# Altium PCB LightLink_V2.1_FINAL_LAYOUT.PcbDoc (part 1 of 3) (continued)
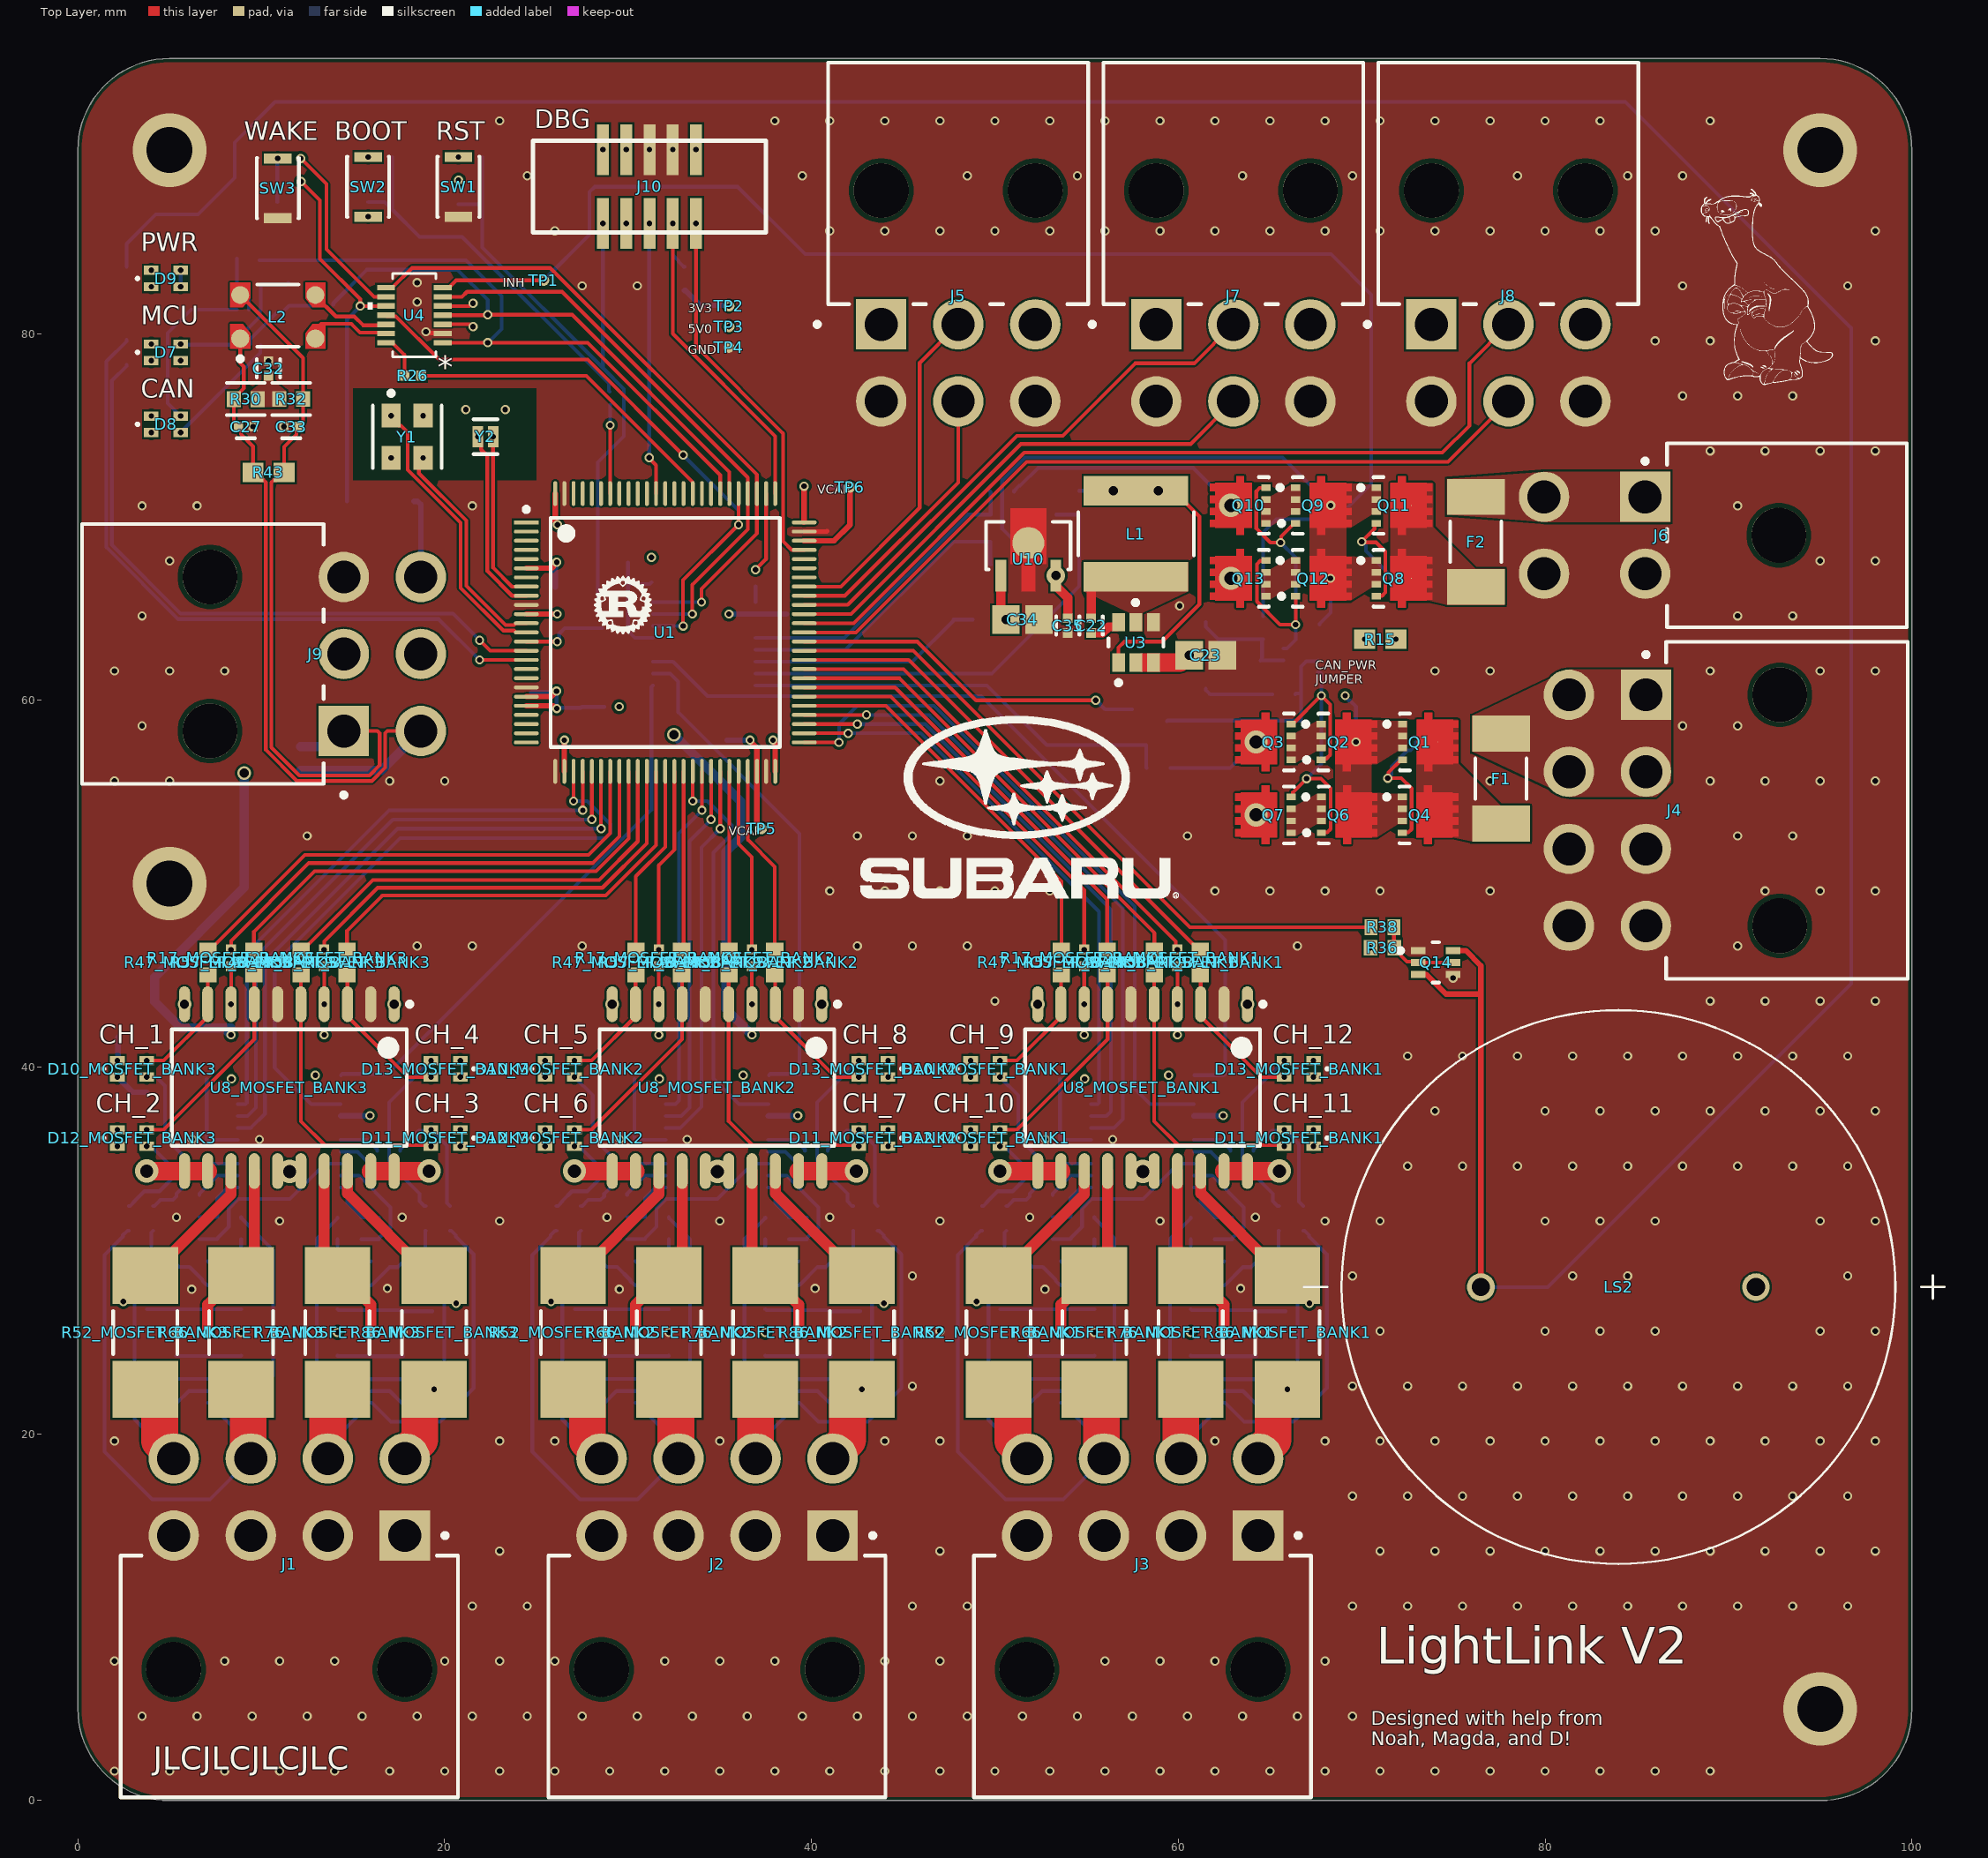
[diagram p0: Top Layer view]
## Components (designator, comment, footprint, x,y, rotation, side; value= is the part's Value field where it differs from the comment) (continued)
R21_MOSFET_BANK2 "0402 JUMPER 0 OHM" RESC1005X40X25NL05T05 36.75,45.95 r90 top (schematic designator R21)
R21_MOSFET_BANK3 "0402 JUMPER 0 OHM" RESC1005X40X25NL05T05 13.425,45.95 r90 top (schematic designator R21)
R22_MOSFET_BANK1 "0603 JUMPER" RESC1609X55X30ML15T15 59.95,45.55 r90 bottom (schematic designator R22)
R22_MOSFET_BANK2 "0603 JUMPER" RESC1609X55X30ML15T15 36.75,45.55 r90 bottom (schematic designator R22)
R22_MOSFET_BANK3 "0603 JUMPER" RESC1609X55X30ML15T15 13.425,45.55 r90 bottom (schematic designator R22)
R23_MOSFET_BANK1 "ERJ3EKF56R0V" RESC1608X55X30NL15T15 54.225,39.35 r180 bottom (schematic designator R23)
R23_MOSFET_BANK2 "ERJ3EKF56R0V" RESC1608X55X30NL15T15 31.025,39.35 r180 bottom (schematic designator R23)
R23_MOSFET_BANK3 "ERJ3EKF56R0V" RESC1608X55X30NL15T15 7.7,39.35 r180 bottom (schematic designator R23)
R24 "0402 JUMPER 0 OHM" RESC1005X40X25NL05T05 28.585,64.375 r90 bottom
R25 "0402 JUMPER 0 OHM" RESC1005X40X25NL05T05 29,76.375 r90 bottom
R26 "0402 JUMPER 0 OHM" RESC1005X40X25NL05T05 18.256,77.7 r180 top
R27 "ERJ3EKF1002V" RESC1609X55X30LL15T15 11.475,82.125 r90 bottom
R28 "0402 JUMPER 0 OHM" RESC1005X40X25NL05T05 36.95,66.675 r90 bottom
R29 "ERJ3EKF1002V" RESC1609X55X30LL15T15 11.525,88.285 r180 bottom
R30 "ERJ-3EKF60R4V" FP-ERJ3EK-IPC_C 9.153,76.425 r180 top
R31 "ERJ-3EKF1001V" RESC1608X55X30LL15T15#1 11.525,89.55 r180 bottom
R32 "ERJ-3EKF60R4V" FP-ERJ3EK-IPC_C 11.63,76.429 r180 top
R33 "ERJ3EKF56R0V" RESC1608X55X30NL15T15 3.325,74.375 r0 bottom
R34 "ERJ3EKF56R0V" RESC1608X55X30NL15T15 3.325,78.3 r0 bottom
R35 "ERJ3EKF56R0V" RESC1608X55X30NL15T15 3.325,75.725 r0 bottom
R36 "ERJ3EKF1002V" RESC1609X55X30LL15T15 71.125,46.5 r180 top
R37 "ERJ3EKF1002V" RESC1609X55X30LL15T15 9.325,82.675 r0 bottom
R38 "ERJ-3EKF1001V" RESC1608X55X30LL15T15#1 71.125,47.625 r0 top
R39 "ERJ3EKF56R0V" RESC1608X55X30NL15T15 3.325,79.65 r0 bottom
R40 "ERJ3EKF56R0V" RESC1608X55X30NL15T15 3.325,83.65 r0 bottom
R41_MOSFET_BANK1 "ERT-J1VR103J" RESC1608X90X30ML15T20 60.175,39.55 r180 bottom (schematic designator R41)
R41_MOSFET_BANK2 "ERT-J1VR103J" RESC1608X90X30ML15T20 36.975,39.55 r180 bottom (schematic designator R41)
R41_MOSFET_BANK3 "ERT-J1VR103J" RESC1608X90X30ML15T20 13.65,39.55 r180 bottom (schematic designator R41)
R42 "ERJ-3EKF3300V" RESC1608X55X30LL15T15#2 21.4,89.625 r180 bottom
R43 "ERJ-3EKF1200V" RESC1609X55X30ML15T15 10.4,72.425 r180 top
R44 "ERJ-3EKF3300V" RESC1608X55X30LL15T15#2 3.35,82.4 r180 bottom
R45 "ERJ3EKF1002V" RESC1609X55X30LL15T15 21.4,88.37 r0 bottom
R46_MOSFET_BANK1 "ERJ-3EKF1001V" RESC1608X55X30LL15T15#1 62.55,39 r90 bottom (schematic designator R46)
R46_MOSFET_BANK2 "ERJ-3EKF1001V" RESC1608X55X30LL15T15#1 39.35,39 r90 bottom (schematic designator R46)
R46_MOSFET_BANK3 "ERJ-3EKF1001V" RESC1608X55X30LL15T15#1 16.025,39 r90 bottom (schematic designator R46)
R47_MOSFET_BANK1 "ERJ3EKF56R0V" RESC1608X55X30NL15T15 53.625,45.7 r90 top (schematic designator R47)
R47_MOSFET_BANK2 "ERJ3EKF56R0V" RESC1608X55X30NL15T15 30.425,45.7 r90 top (schematic designator R47)
R47_MOSFET_BANK3 "ERJ3EKF56R0V" RESC1608X55X30NL15T15 7.1,45.7 r90 top (schematic designator R47)
R48_MOSFET_BANK1 "ERJ3EKF56R0V" RESC1608X55X30NL15T15 58.7,45.7 r90 top (schematic designator R48)
R48_MOSFET_BANK2 "ERJ3EKF56R0V" RESC1608X55X30NL15T15 35.5,45.7 r90 top (schematic designator R48)
R48_MOSFET_BANK3 "ERJ3EKF56R0V" RESC1608X55X30NL15T15 12.175,45.7 r90 top (schematic designator R48)
R49_MOSFET_BANK1 "ERJ-3EKF1004V" FP-ERJ3EK-IPC_C 53.6,28.76 r270 bottom (schematic designator R49)
R49_MOSFET_BANK2 "ERJ-3EKF1004V" FP-ERJ3EK-IPC_C 30.4,28.76 r270 bottom (schematic designator R49)
R49_MOSFET_BANK3 "ERJ-3EKF1004V" FP-ERJ3EK-IPC_C 7.075,28.76 r270 bottom (schematic designator R49)
R50 "ERJ3EKF1002V" RESC1609X55X30LL15T15 49.45,64.4 r0 bottom
R51 "ERJ3EKF1002V" RESC1609X55X30LL15T15 47.1,64.4 r180 bottom
R52_MOSFET_BANK1 "MCS3264R010FER" FP-MCS3264-MFG 50.2,25.525 r270 top (schematic designator R52)
R52_MOSFET_BANK2 "MCS3264R010FER" FP-MCS3264-MFG 27,25.525 r270 top (schematic designator R52)
R52_MOSFET_BANK3 "MCS3264R010FER" FP-MCS3264-MFG 3.675,25.525 r270 top (schematic designator R52)
R53_MOSFET_BANK1 "ERJ3EKF1002V" RESC1609X55X30LL15T15 51.175,29.31 r180 bottom (schematic designator R53)
R53_MOSFET_BANK2 "ERJ3EKF1002V" RESC1609X55X30LL15T15 27.975,29.31 r180 bottom (schematic designator R53)
R53_MOSFET_BANK3 "ERJ3EKF1002V" RESC1609X55X30LL15T15 4.65,29.31 r180 bottom (schematic designator R53)
R54_MOSFET_BANK1 "ERJ3EKF5100V" RESC1608X55X30NL15T15 50.625,31.75 r270 bottom (schematic designator R54)
R54_MOSFET_BANK2 "ERJ3EKF5100V" RESC1608X55X30NL15T15 27.425,31.75 r270 bottom (schematic designator R54)
R54_MOSFET_BANK3 "ERJ3EKF5100V" RESC1608X55X30NL15T15 4.1,31.75 r270 bottom (schematic designator R54)
R55_MOSFET_BANK1 "ERJ3EKF1002V" RESC1609X55X30LL15T15 54.775,30.61 r0 bottom (schematic designator R55)
R55_MOSFET_BANK2 "ERJ3EKF1002V" RESC1609X55X30LL15T15 31.575,30.61 r0 bottom (schematic designator R55)
R55_MOSFET_BANK3 "ERJ3EKF1002V" RESC1609X55X30LL15T15 8.25,30.61 r0 bottom (schematic designator R55)
R56_MOSFET_BANK1 "ERJ3EKF1002V" RESC1609X55X30LL15T15 49.65,26.785 r180 bottom (schematic designator R56)
R56_MOSFET_BANK2 "ERJ3EKF1002V" RESC1609X55X30LL15T15 26.45,26.785 r180 bottom (schematic designator R56)
R56_MOSFET_BANK3 "ERJ3EKF1002V" RESC1609X55X30LL15T15 3.125,26.785 r180 bottom (schematic designator R56)
R57_MOSFET_BANK1 "ERJ3EKF56R0V" RESC1608X55X30NL15T15 56.125,45.7 r90 top (schematic designator R57)
R57_MOSFET_BANK2 "ERJ3EKF56R0V" RESC1608X55X30NL15T15 32.925,45.7 r90 top (schematic designator R57)
R57_MOSFET_BANK3 "ERJ3EKF56R0V" RESC1608X55X30NL15T15 9.6,45.7 r90 top (schematic designator R57)
R58_MOSFET_BANK1 "ERJ3EKF56R0V" RESC1608X55X30NL15T15 61.2,45.7 r90 top (schematic designator R58)
R58_MOSFET_BANK2 "ERJ3EKF56R0V" RESC1608X55X30NL15T15 38,45.7 r90 top (schematic designator R58)
R58_MOSFET_BANK3 "ERJ3EKF56R0V" RESC1608X55X30NL15T15 14.675,45.7 r90 top (schematic designator R58)
R59_MOSFET_BANK1 "ERJ-3EKF1004V" FP-ERJ3EK-IPC_C 51.85,27.435 r270 bottom (schematic designator R59)
R59_MOSFET_BANK2 "ERJ-3EKF1004V" FP-ERJ3EK-IPC_C 28.65,27.435 r270 bottom (schematic designator R59)
R59_MOSFET_BANK3 "ERJ-3EKF1004V" FP-ERJ3EK-IPC_C 5.325,27.435 r270 bottom (schematic designator R59)
R60_MOSFET_BANK1 "ERJ3EKF2701V" RESC1608X55X30LL15T15#1 52.525,30.61 r0 bottom (schematic designator R60)
R60_MOSFET_BANK2 "ERJ3EKF2701V" RESC1608X55X30LL15T15#1 29.325,30.61 r0 bottom (schematic designator R60)
R60_MOSFET_BANK3 "ERJ3EKF2701V" RESC1608X55X30LL15T15#1 6,30.61 r0 bottom (schematic designator R60)
R61 "ERJ3EKF1002V" RESC1609X55X30LL15T15 28.375,75 r0 bottom
R62 "ERJ3EKF56R0V" RESC1608X55X30NL15T15 31.275,67.115 r270 bottom
R63 "ERJ3EKF1002V" RESC1609X55X30LL15T15 55.5,59.35 r270 bottom
R64_MOSFET_BANK1 "ERJ-3EKF1004V" FP-ERJ3EK-IPC_C 51.875,22.335 r90 bottom (schematic designator R64)
R64_MOSFET_BANK2 "ERJ-3EKF1004V" FP-ERJ3EK-IPC_C 28.675,22.335 r90 bottom (schematic designator R64)
R64_MOSFET_BANK3 "ERJ-3EKF1004V" FP-ERJ3EK-IPC_C 5.35,22.335 r90 bottom (schematic designator R64)
R65_MOSFET_BANK1 "ERJ3EKF5100V" RESC1608X55X30NL15T15 48.025,40.575 r0 bottom (schematic designator R65)
R65_MOSFET_BANK2 "ERJ3EKF5100V" RESC1608X55X30NL15T15 24.825,40.575 r0 bottom (schematic designator R65)
R65_MOSFET_BANK3 "ERJ3EKF5100V" RESC1608X55X30NL15T15 2.9,41.65 r180 bottom (schematic designator R65)
R66_MOSFET_BANK1 "MCS3264R010FER" FP-MCS3264-MFG 55.425,25.525 r270 top (schematic designator R66)
R66_MOSFET_BANK2 "MCS3264R010FER" FP-MCS3264-MFG 32.225,25.525 r270 top (schematic designator R66)
R66_MOSFET_BANK3 "MCS3264R010FER" FP-MCS3264-MFG 8.9,25.525 r270 top (schematic designator R66)
R67_MOSFET_BANK1 "ERJ3EKF1002V" RESC1609X55X30LL15T15 53.6,22.335 r270 bottom (schematic designator R67)
R67_MOSFET_BANK2 "ERJ3EKF1002V" RESC1609X55X30LL15T15 30.4,22.335 r270 bottom (schematic designator R67)
R67_MOSFET_BANK3 "ERJ3EKF1002V" RESC1609X55X30LL15T15 7.075,22.335 r270 bottom (schematic designator R67)
R68_MOSFET_BANK1 "ERJ3EKF5100V" RESC1608X55X30NL15T15 49.3,31.75 r270 bottom (schematic designator R68)
R68_MOSFET_BANK2 "ERJ3EKF5100V" RESC1608X55X30NL15T15 26.1,31.75 r270 bottom (schematic designator R68)
R68_MOSFET_BANK3 "ERJ3EKF5100V" RESC1608X55X30NL15T15 2.775,31.75 r270 bottom (schematic designator R68)
R69_MOSFET_BANK1 "ERJ3EKF1002V" RESC1609X55X30LL15T15 54.775,31.81 r0 bottom (schematic designator R69)
R69_MOSFET_BANK2 "ERJ3EKF1002V" RESC1609X55X30LL15T15 31.575,31.81 r0 bottom (schematic designator R69)
R69_MOSFET_BANK3 "ERJ3EKF1002V" RESC1609X55X30LL15T15 8.25,31.81 r0 bottom (schematic designator R69)
R70_MOSFET_BANK1 "ERJ3EKF1002V" RESC1609X55X30LL15T15 53.6,24.885 r90 bottom (schematic designator R70)
R70_MOSFET_BANK2 "ERJ3EKF1002V" RESC1609X55X30LL15T15 30.4,24.885 r90 bottom (schematic designator R70)
R70_MOSFET_BANK3 "ERJ3EKF1002V" RESC1609X55X30LL15T15 7.075,24.885 r90 bottom (schematic designator R70)
R71_MOSFET_BANK1 "ERJ-3EKF1004V" FP-ERJ3EK-IPC_C 51.875,24.885 r270 bottom (schematic designator R71)
R71_MOSFET_BANK2 "ERJ-3EKF1004V" FP-ERJ3EK-IPC_C 28.675,24.885 r270 bottom (schematic designator R71)
R71_MOSFET_BANK3 "ERJ-3EKF1004V" FP-ERJ3EK-IPC_C 5.35,24.885 r270 bottom (schematic designator R71)
R72_MOSFET_BANK1 "ERJ3EKF2701V" RESC1608X55X30LL15T15#1 52.525,31.81 r0 bottom (schematic designator R72)
R72_MOSFET_BANK2 "ERJ3EKF2701V" RESC1608X55X30LL15T15#1 29.325,31.81 r0 bottom (schematic designator R72)
R72_MOSFET_BANK3 "ERJ3EKF2701V" RESC1608X55X30LL15T15#1 6,31.81 r0 bottom (schematic designator R72)
R73_MOSFET_BANK1 "ERJ3EKF5100V" RESC1608X55X30NL15T15 68.025,35.45 r180 bottom (schematic designator R73)
R73_MOSFET_BANK2 "ERJ3EKF5100V" RESC1608X55X30NL15T15 44.825,35.45 r180 bottom (schematic designator R73)
R73_MOSFET_BANK3 "ERJ3EKF5100V" RESC1608X55X30NL15T15 21.525,35.45 r180 bottom (schematic designator R73)
R74_MOSFET_BANK1 "ERJ-3EKF1004V" FP-ERJ3EK-IPC_C 64.25,22.31 r90 bottom (schematic designator R74)
R74_MOSFET_BANK2 "ERJ-3EKF1004V" FP-ERJ3EK-IPC_C 41.05,22.31 r90 bottom (schematic designator R74)
R74_MOSFET_BANK3 "ERJ-3EKF1004V" FP-ERJ3EK-IPC_C 17.725,22.31 r90 bottom (schematic designator R74)
R75_MOSFET_BANK1 "ERJ3EKF5100V" RESC1608X55X30NL15T15 48,36.775 r0 bottom (schematic designator R75)
R75_MOSFET_BANK2 "ERJ3EKF5100V" RESC1608X55X30NL15T15 24.8,36.8 r0 bottom (schematic designator R75)
R75_MOSFET_BANK3 "ERJ3EKF5100V" RESC1608X55X30NL15T15 2.15,37.375 r270 bottom (schematic designator R75)
R76_MOSFET_BANK1 "MCS3264R010FER" FP-MCS3264-MFG 60.675,25.525 r270 top (schematic designator R76)
R76_MOSFET_BANK2 "MCS3264R010FER" FP-MCS3264-MFG 37.475,25.525 r270 top (schematic designator R76)
R76_MOSFET_BANK3 "MCS3264R010FER" FP-MCS3264-MFG 14.15,25.525 r270 top (schematic designator R76)
R77_MOSFET_BANK1 "ERJ3EKF1002V" RESC1609X55X30LL15T15 62.5,22.335 r270 bottom (schematic designator R77)
R77_MOSFET_BANK2 "ERJ3EKF1002V" RESC1609X55X30LL15T15 39.3,22.335 r270 bottom (schematic designator R77)
R77_MOSFET_BANK3 "ERJ3EKF1002V" RESC1609X55X30LL15T15 15.975,22.335 r270 bottom (schematic designator R77)
R78_MOSFET_BANK1 "ERJ3EKF5100V" RESC1608X55X30NL15T15 66.809,31.75 r270 bottom (schematic designator R78)
R78_MOSFET_BANK2 "ERJ3EKF5100V" RESC1608X55X30NL15T15 43.609,31.75 r270 bottom (schematic designator R78)
R78_MOSFET_BANK3 "ERJ3EKF5100V" RESC1608X55X30NL15T15 20.284,31.75 r270 bottom (schematic designator R78)
R79_MOSFET_BANK1 "ERJ3EKF1002V" RESC1609X55X30LL15T15 61.325,31.8 r180 bottom (schematic designator R79)
R79_MOSFET_BANK2 "ERJ3EKF1002V" RESC1609X55X30LL15T15 38.125,31.8 r180 bottom (schematic designator R79)
R79_MOSFET_BANK3 "ERJ3EKF1002V" RESC1609X55X30LL15T15 14.8,31.8 r180 bottom (schematic designator R79)
R80_MOSFET_BANK1 "ERJ3EKF1002V" RESC1609X55X30LL15T15 62.5,24.875 r90 bottom (schematic designator R80)
R80_MOSFET_BANK2 "ERJ3EKF1002V" RESC1609X55X30LL15T15 39.3,24.875 r90 bottom (schematic designator R80)
R80_MOSFET_BANK3 "ERJ3EKF1002V" RESC1609X55X30LL15T15 15.975,24.875 r90 bottom (schematic designator R80)
R81_MOSFET_BANK1 "ERJ-3EKF1004V" FP-ERJ3EK-IPC_C 64.25,24.874 r270 bottom (schematic designator R81)
R81_MOSFET_BANK2 "ERJ-3EKF1004V" FP-ERJ3EK-IPC_C 41.05,24.874 r270 bottom (schematic designator R81)
R81_MOSFET_BANK3 "ERJ-3EKF1004V" FP-ERJ3EK-IPC_C 17.725,24.874 r270 bottom (schematic designator R81)
R82_MOSFET_BANK1 "ERJ3EKF2701V" RESC1608X55X30LL15T15#1 63.575,31.8 r180 bottom (schematic designator R82)
R82_MOSFET_BANK2 "ERJ3EKF2701V" RESC1608X55X30LL15T15#1 40.375,31.8 r180 bottom (schematic designator R82)
R82_MOSFET_BANK3 "ERJ3EKF2701V" RESC1608X55X30LL15T15#1 17.05,31.8 r180 bottom (schematic designator R82)
R83_MOSFET_BANK1 "ERJ-3EKF1004V" FP-ERJ3EK-IPC_C 62.5,28.76 r270 bottom (schematic designator R83)
R83_MOSFET_BANK2 "ERJ-3EKF1004V" FP-ERJ3EK-IPC_C 39.3,28.76 r270 bottom (schematic designator R83)
R83_MOSFET_BANK3 "ERJ-3EKF1004V" FP-ERJ3EK-IPC_C 15.975,28.76 r270 bottom (schematic designator R83)
R84_MOSFET_BANK1 "ERJ3EKF1002V" RESC1609X55X30LL15T15 54.875,42.775 r270 bottom (schematic designator R84)
R84_MOSFET_BANK2 "ERJ3EKF1002V" RESC1609X55X30LL15T15 31.675,42.775 r270 bottom (schematic designator R84)
R84_MOSFET_BANK3 "ERJ3EKF1002V" RESC1609X55X30LL15T15 8.35,42.775 r270 bottom (schematic designator R84)
R85_MOSFET_BANK1 "ERJ3EKF1002V" RESC1609X55X30LL15T15 59.955,42.775 r270 bottom (schematic designator R85)
R85_MOSFET_BANK2 "ERJ3EKF1002V" RESC1609X55X30LL15T15 36.755,42.775 r270 bottom (schematic designator R85)
R85_MOSFET_BANK3 "ERJ3EKF1002V" RESC1609X55X30LL15T15 13.43,42.775 r270 bottom (schematic designator R85)
R86_MOSFET_BANK1 "MCS3264R010FER" FP-MCS3264-MFG 65.95,25.525 r270 top (schematic designator R86)
R86_MOSFET_BANK2 "MCS3264R010FER" FP-MCS3264-MFG 42.75,25.525 r270 top (schematic designator R86)
R86_MOSFET_BANK3 "MCS3264R010FER" FP-MCS3264-MFG 19.425,25.525 r270 top (schematic designator R86)
R87_MOSFET_BANK1 "ERJ3EKF1002V" RESC1609X55X30LL15T15 64.825,29.285 r0 bottom (schematic designator R87)
R87_MOSFET_BANK2 "ERJ3EKF1002V" RESC1609X55X30LL15T15 41.625,29.285 r0 bottom (schematic designator R87)
R87_MOSFET_BANK3 "ERJ3EKF1002V" RESC1609X55X30LL15T15 18.3,29.285 r0 bottom (schematic designator R87)
R88_MOSFET_BANK1 "ERJ3EKF5100V" RESC1608X55X30NL15T15 65.484,31.75 r270 bottom (schematic designator R88)
R88_MOSFET_BANK2 "ERJ3EKF5100V" RESC1608X55X30NL15T15 42.284,31.75 r270 bottom (schematic designator R88)
R88_MOSFET_BANK3 "ERJ3EKF5100V" RESC1608X55X30NL15T15 18.959,31.75 r270 bottom (schematic designator R88)
R89_MOSFET_BANK1 "ERJ3EKF1002V" RESC1609X55X30LL15T15 61.325,30.6 r180 bottom (schematic designator R89)
R89_MOSFET_BANK2 "ERJ3EKF1002V" RESC1609X55X30LL15T15 38.125,30.6 r180 bottom (schematic designator R89)
R89_MOSFET_BANK3 "ERJ3EKF1002V" RESC1609X55X30LL15T15 14.8,30.6 r180 bottom (schematic designator R89)
R90_MOSFET_BANK1 "ERJ3EKF1002V" RESC1609X55X30LL15T15 66.5,26.685 r0 bottom (schematic designator R90)
R90_MOSFET_BANK2 "ERJ3EKF1002V" RESC1609X55X30LL15T15 43.3,26.685 r0 bottom (schematic designator R90)
R90_MOSFET_BANK3 "ERJ3EKF1002V" RESC1609X55X30LL15T15 19.975,26.685 r0 bottom (schematic designator R90)
R91_MOSFET_BANK1 "ERJ-3EKF1004V" FP-ERJ3EK-IPC_C 64.25,27.335 r270 bottom (schematic designator R91)
R91_MOSFET_BANK2 "ERJ-3EKF1004V" FP-ERJ3EK-IPC_C 41.05,27.335 r270 bottom (schematic designator R91)
R91_MOSFET_BANK3 "ERJ-3EKF1004V" FP-ERJ3EK-IPC_C 17.725,27.335 r270 bottom (schematic designator R91)
R92_MOSFET_BANK1 "ERJ3EKF2701V" RESC1608X55X30LL15T15#1 63.575,30.6 r180 bottom (schematic designator R92)
R92_MOSFET_BANK2 "ERJ3EKF2701V" RESC1608X55X30LL15T15#1 40.375,30.6 r180 bottom (schematic designator R92)
R92_MOSFET_BANK3 "ERJ3EKF2701V" RESC1608X55X30LL15T15#1 17.05,30.6 r180 bottom (schematic designator R92)
R93_MOSFET_BANK1 "ERJ-3EKF1000V" RESC1608X55X30LL15T15#1 48.05,39.275 r180 bottom (schematic designator R93)
R93_MOSFET_BANK2 "ERJ-3EKF1000V" RESC1608X55X30LL15T15#1 24.825,39.275 r180 bottom (schematic designator R93)
R93_MOSFET_BANK3 "ERJ-3EKF1000V" RESC1608X55X30LL15T15#1 3.75,38 r270 bottom (schematic designator R93)
R94_MOSFET_BANK1 "ERJ-3EKF1000V" RESC1608X55X30LL15T15#1 68,36.725 r0 bottom (schematic designator R94)
R94_MOSFET_BANK2 "ERJ-3EKF1000V" RESC1608X55X30LL15T15#1 44.8,36.7 r0 bottom (schematic designator R94)
R94_MOSFET_BANK3 "ERJ-3EKF1000V" RESC1608X55X30LL15T15#1 21.475,36.75 r0 bottom (schematic designator R94)
R95_MOSFET_BANK1 "ERJ3EKF5100V" RESC1608X55X30NL15T15 68.025,39.225 r180 bottom (schematic designator R95)
R95_MOSFET_BANK2 "ERJ3EKF5100V" RESC1608X55X30NL15T15 44.825,39.25 r180 bottom (schematic designator R95)
R95_MOSFET_BANK3 "ERJ3EKF5100V" RESC1608X55X30NL15T15 21.475,39.225 r180 bottom (schematic designator R95)
R96 "ERJ-3EKF1001V" RESC1608X55X30LL15T15#1 13.3,81.575 r180 bottom
R97_MOSFET_BANK1 "ERJ-3EKF1001V" RESC1608X55X30LL15T15#1 63.465,35.433 r180 bottom (schematic designator R97)
R97_MOSFET_BANK2 "ERJ-3EKF1001V" RESC1608X55X30LL15T15#1 40.265,35.433 r180 bottom (schematic designator R97)
R97_MOSFET_BANK3 "ERJ-3EKF1001V" RESC1608X55X30LL15T15#1 16.94,35.433 r180 bottom (schematic designator R97)
R98_MOSFET_BANK1 "ERJ-3EKF1001V" RESC1608X55X30LL15T15#1 63.465,34.233 r180 bottom (schematic designator R98)
R98_MOSFET_BANK2 "ERJ-3EKF1001V" RESC1608X55X30LL15T15#1 40.265,34.233 r180 bottom (schematic designator R98)
R98_MOSFET_BANK3 "ERJ-3EKF1001V" RESC1608X55X30LL15T15#1 16.94,34.233 r180 bottom (schematic designator R98)
R99_MOSFET_BANK1 "ERJ-3EKF1000V" RESC1608X55X30LL15T15#1 48.05,35.55 r180 bottom (schematic designator R99)
R99_MOSFET_BANK2 "ERJ-3EKF1000V" RESC1608X55X30LL15T15#1 24.825,35.5 r180 bottom (schematic designator R99)
R99_MOSFET_BANK3 "ERJ-3EKF1000V" RESC1608X55X30LL15T15#1 2.15,34.925 r270 bottom (schematic designator R99)
R100_MOSFET_BANK1 "ERJ-3EKF1000V" RESC1608X55X30LL15T15#1 68,40.525 r0 bottom (schematic designator R100)
R100_MOSFET_BANK2 "ERJ-3EKF1000V" RESC1608X55X30LL15T15#1 44.8,40.525 r0 bottom (schematic designator R100)
R100_MOSFET_BANK3 "ERJ-3EKF1000V" RESC1608X55X30LL15T15#1 21.475,40.525 r0 bottom (schematic designator R100)
R101_MOSFET_BANK1 "ERJ-3EKF1001V" RESC1608X55X30LL15T15#1 52.525,33.02 r0 bottom (schematic designator R101)
R101_MOSFET_BANK2 "ERJ-3EKF1001V" RESC1608X55X30LL15T15#1 29.325,33.02 r0 bottom (schematic designator R101)
R101_MOSFET_BANK3 "ERJ-3EKF1001V" RESC1608X55X30LL15T15#1 6,33.02 r0 bottom (schematic designator R101)
R102 "ERJ-3EKF1001V" RESC1608X55X30LL15T15#1 9.275,84 r180 bottom
R104_MOSFET_BANK1 "ERJ-3EKF1001V" RESC1608X55X30LL15T15#1 52.525,34.22 r0 bottom (schematic designator R104)
R104_MOSFET_BANK2 "ERJ-3EKF1001V" RESC1608X55X30LL15T15#1 29.325,34.22 r0 bottom (schematic designator R104)
R104_MOSFET_BANK3 "ERJ-3EKF1001V" RESC1608X55X30LL15T15#1 6,34.22 r0 bottom (schematic designator R104)
R105 "ERJ3EKF1002V" RESC1609X55X30LL15T15 54.6,70.775 r90 bottom
R106 "ERJ3EKF1002V" RESC1609X55X30LL15T15 52.7,70.125 r0 bottom
SW1 "KXT331LHS" FP-KXT331LHS-MFG 20.75,88 r270 top
SW2 "KXT331LHS" FP-KXT331LHS-MFG 15.825,88 r270 top
SW3 "KXT331LHS" FP-KXT331LHS-MFG 10.9,87.925 r90 top
TP1 "TPAD6R" TP06R 25.4,82.9 r90 top
TP2 "TPAD6R" TP06R 35.5,81.5 r90 top
TP3 "TPAD6R" TP06R 35.5,80.375 r90 top
TP4 "TPAD6R" TP06R 35.5,79.25 r90 top
TP5 "TPAD6R" TP06R 37.275,53 r90 top
TP6 "TPAD6R" TP06R 42.1,71.625 r90 top
U1 "STM32H730VBT6" FP-LQFP100-1L-IPC_C 32.025,63.7 r0 top
U2 "ADC088S022CIMT/NOPB" MTC16_L 34.15,63.075 r180 bottom
U3 "AP63203WU-7" FP-TSOT26-MFG 57.692,63.155 r90 top
U4 "TCAN1146DYYRQ1" TCAN1146DYYRQ1-Footprint-1 18.345,81 r180 top
U7_MOSFET_BANK1 "LM324D" D0014A_L 58.05,25.525 r180 bottom (schematic designator U7)
U7_MOSFET_BANK2 "LM324D" D0014A_L 34.85,25.525 r180 bottom (schematic designator U7)
U7_MOSFET_BANK3 "LM324D" D0014A_L 11.525,25.525 r180 bottom (schematic designator U7)
U8_MOSFET_BANK1 "ITS716G" INF-PG-DSO-20-32_L 58.05,38.875 r270 top (schematic designator U8)
U8_MOSFET_BANK2 "ITS716G" INF-PG-DSO-20-32_L 34.85,38.875 r270 top (schematic designator U8)
U8_MOSFET_BANK3 "ITS716G" INF-PG-DSO-20-32_L 11.525,38.875 r270 top (schematic designator U8)
U9_MOSFET_BANK1 "ADC088S022CIMT/NOPB" MTC16_L 58.05,35.7 r180 bottom (schematic designator U9)
U9_MOSFET_BANK2 "ADC088S022CIMT/NOPB" MTC16_L 34.85,35.7 r180 bottom (schematic designator U9)
U9_MOSFET_BANK3 "ADC088S022CIMT/NOPB" MTC16_L 11.525,35.7 r180 bottom (schematic designator U9)
U10 "AP7381-50Y-13" FP-SOT89-MFG 51.825,68.435 r0 top
Y1 "ABM8-48.000MHZ-B2-T" FP-ABM8-MFG 17.95,74.367 r270 top
Y2 "ECS-.327-12.5-1210-TR" FP-ECX-1210-MFG 22.225,74.375 r180 top

## Footprints (in the part's own frame and the unit in brackets; to place one, negate y for a bottom-side part, rotate by r counter-clockwise, add the part's x,y. Pads: shape width x height; smd on the part's side, far side on the other; paste and mask are expansions set on the pad)
3220-10-0300-00-Footprint-1 [mm]
  rect 0.65x2.77 all layers, no hole: 1(0,-4.03) 2(0,0) 3(1.27,-4.03) 4(1.27,0) 5(2.54,-4.03) 6(2.54,0) 7(3.81,-4.03) 8(3.81,0) 9(5.08,-4.03) 10(5.08,0)
  silkscreen extent -3.81,-4.51 8.89,0.48
AI-3035-TT-12V-R-Footprint-1 [mm]
  round 1.508 hole 1: N(7.5,0) P(-7.5,0)
  silkscreen extent -17.78,-15.1 17.14,15.1, body extent -15.1,-15.1 15.1,15.1, height 2.15
CAPC2013X145X50ML20T25 [mm] "Chip Capacitor, 2-Leads, Body 2.00x1.25mm, IPC Low Density"
  rect 1.5x1.55 smd: 1(-0.9,0) 2(0.9,0)
  body extent -1.1,-0.72 1.1,0.72, height 1.45
D0014A_L [mm] "SOIC, 14-Leads, Body 8.75x4mm, Pitch 1.27mm, IPC High Density"
  rrect18% 1.25x0.55 smd: 1(-2.625,3.81) 2(-2.625,2.54) 3(-2.625,1.27) 4(-2.625,0) 5(-2.625,-1.27) 6(-2.625,-2.54) 7(-2.625,-3.81) 8(2.625,-3.81) 9(2.625,-2.54) 10(2.625,-1.27) 11(2.625,0) 12(2.625,1.27) 13(2.625,2.54) 14(2.625,3.81)
  silkscreen extent -2.75,-4.37 1.6,4.76, body extent -3.02,-4.32 3.02,4.32, height 1.59
FP-39-30-1041-MFG [mil]
  rect 108.4x108.4 hole 71 paste-99999 mask+0: 1(82.5,297)
  round 108.4 hole 71 paste-99999 mask+0: 2(-82.5,297) 3(82.5,514) 4(-82.5,514)
  round 118 hole 118 unplated paste-99999 mask+0: ""(0,10)
  silkscreen extent -197,-265 198,302, body extent -201,-269 201,572, height 10
FP-0402-L_1_0_0_05-W_0_5-IPC_A [mm]
  rect 0.715x0.672 smd paste+0 mask+0: 1(-0.479,0) 2(0.479,0)
  silkscreen extent -0.84,-0.74 0.84,0.74, body extent -0.5,-0.25 0.5,0.25, height 0.55
FP-0679L-MFG [mm]
  rect 1.96x3.15 smd paste+0 mask+0: 1(-2.455,0) 2(2.455,0)
  silkscreen extent -1.1,-1.4 1.1,1.4, body extent -3.53,-1.68 3.53,1.68, height 0.25
FP-0805-L_2_01_0_2-W_1_25-MFG [mm]
  rect 1x1.25 smd paste+0 mask+0: 1(-1,0) 2(1,0)
  silkscreen extent -0.13,-0.73 0.12,0.73, body extent -1,-0.63 1,0.63, height 0.94
FP-45586-0005-MFG [mm]
  rect 2.75x2.75 hole 1.8 paste-2539.97 mask+0: 1(-6.3,-7.5)
  round 2.75 hole 1.8 paste-2539.97 mask+0: 2(-2.1,-7.5) 3(2.1,-7.5) 4(6.3,-7.5) 5(-6.3,-11.7) 6(-2.1,-11.7) 7(2.1,-11.7) 8(6.3,-11.7)
  round 3 hole 3 unplated paste-2539.97 mask+0: ""(-6.3,-0.2) ""(6.3,-0.2)
  silkscreen extent -9.19,-7.62 9.19,6.78, body extent -9.29,-13.18 9.29,6.88, height 0.25
FP-455580003-MFG [mm]
  rect 2.75x2.75 hole 1.8 paste-2539.97 mask+0: 1(-4.2,-7.5)
  round 2.75 hole 1.8 paste-2539.97 mask+0: 2(0,-7.5) 3(4.2,-7.5) 4(-4.2,-11.7) 5(0,-11.7) 6(4.2,-11.7)
  round 3 hole 3 unplated paste-2539.97 mask+0: ""(-4.2,-0.2) ""(4.2,-0.2)
  silkscreen extent -7.81,-7.62 7.09,6.78, body extent -7.19,-13.18 7.19,6.88, height 0.25
FP-ABM8-MFG [mm]
  rect 1.3x1.05 smd paste+0 mask+0: 1(-1.15,-0.875) 2(1.15,-0.875) 3(1.15,0.875) 4(-1.15,0.875)
  silkscreen extent -2.5,-1.87 1.7,1.87, body extent -1.9,-1.5 1.9,1.5, height 0.25
FP-BLM15-0_05-MFG [mm]
  rect 0.4x0.5 smd paste+0 mask+0: 1(-0.4,0) 2(0.4,0)
  silkscreen extent -0.53,-0.63 0.52,0.63, body extent -0.5,-0.25 0.5,0.25, height 0.55
FP-C0402-BB-MFG [mm]
  rect 0.52x0.52 smd paste+0 mask+0: 1(-0.4,0) 2(0.4,0)
  silkscreen extent -0.5,-0.64 0.5,0.64, body extent -0.5,-0.25 0.5,0.25, height 0.55
FP-C0805C-DN-MFG [mm]
  rect 0.95x1.35 smd paste+0 mask+0: 1(-0.75,0) 2(0.75,0)
  silkscreen extent -1.1,-1.07 1.1,1.07, body extent -1,-0.63 1,0.63, height 0.88
FP-C1005-050-0_15-0_1-MFG [mm]
  rect 0.4x0.5 smd paste+0 mask+0: 1(-0.4,0) 2(0.4,0)
  silkscreen extent -0.58,-0.63 0.58,0.63, body extent -0.5,-0.25 0.5,0.25, height 0.65
FP-C1005-050-0_15-MFG [mm]
  rect 0.4x0.5 smd paste+0 mask+0: 1(-0.4,0) 2(0.4,0)
  silkscreen extent -0.5,-0.72 0.5,0.72, body extent -0.5,-0.25 0.5,0.25, height 0.55
FP-DG6045C-MFG [mm]
  rect 1.6x5.7 smd paste+0 mask+0: 1(-2.35,0) 2(2.35,0)
  silkscreen extent -3.87,-3.15 1.17,3.15, body extent -3.25,-3.25 3.25,3.25, height 0.25
FP-ECX-1210-MFG [mm]
  rect 0.575x1.14 smd paste+0 mask+0: 1(-0.413,0) 2(0.412,0)
  silkscreen extent -0.65,-0.95 0.65,0.95, body extent -0.8,-0.67 0.8,0.67, height 0.25
FP-ERJ3EK-IPC_C [mm]
  rect 0.757x0.862 smd paste+0 mask+0: 1(-0.651,0) 2(0.651,0)
  silkscreen extent -1.03,-0.87 1.03,0.87, body extent -0.8,-0.4 0.8,0.4, height 0.55
FP-GRM15-MFG [mm]
  rect 0.4x0.5 smd paste+0 mask+0: 1(-0.4,0) 2(0.4,0)
  silkscreen extent -0.53,-0.63 0.53,0.63, body extent -0.3,-0.16 0.3,0.16, height 0.33
FP-GRM21B-0_2-e0_2_0_7-IPC_B [mm]
  rect 1.255x1.456 smd paste+0 mask+0: 1(-0.826,0) 2(0.826,0)
  silkscreen extent -1.45,-1.13 1.45,1.13, body extent -1,-0.63 1,0.63, height 1.45
FP-KXT331LHS-MFG [mm]
  rect 0.55x1.5 smd paste+0 mask+0: 1(-1.625,0) 2(1.625,0)
  silkscreen extent -1.65,-1.15 1.65,1.15, body extent -2,-1.25 2,1.25, height 0.25
FP-LQFP100-1L-IPC_C [mm]
  rect 1.355x0.212 smd paste+0 mask+0: 1(-7.575,6)
  rrect100% 1.355x0.212 smd paste+0 mask+0: 2(-7.575,5.5) 3(-7.575,5) 4(-7.575,4.5) 5(-7.575,4) 6(-7.575,3.5) 7(-7.575,3) 8(-7.575,2.5) 9(-7.575,2) 10(-7.575,1.5) 11(-7.575,1) 12(-7.575,0.5) 13(-7.575,0) 14(-7.575,-0.5) 15(-7.575,-1) 16(-7.575,-1.5) 17(-7.575,-2) 18(-7.575,-2.5) 19(-7.575,-3) 20(-7.575,-3.5) 21(-7.575,-4) 22(-7.575,-4.5) 23(-7.575,-5) 24(-7.575,-5.5) 25(-7.575,-6) 51(7.575,-6) 52(7.575,-5.5) 53(7.575,-5) 54(7.575,-4.5) 55(7.575,-4) 56(7.575,-3.5) 57(7.575,-3) 58(7.575,-2.5) 59(7.575,-2) 60(7.575,-1.5) 61(7.575,-1) 62(7.575,-0.5) 63(7.575,0) 64(7.575,0.5) 65(7.575,1) 66(7.575,1.5) 67(7.575,2) 68(7.575,2.5) 69(7.575,3) 70(7.575,3.5) 71(7.575,4) 72(7.575,4.5) 73(7.575,5) 74(7.575,5.5) 75(7.575,6)
  rrect100% 0.212x1.355 smd paste+0 mask+0: 26(-6,-7.575) 27(-5.5,-7.575) 28(-5,-7.575) 29(-4.5,-7.575) 30(-4,-7.575) 31(-3.5,-7.575) 32(-3,-7.575) 33(-2.5,-7.575) 34(-2,-7.575) 35(-1.5,-7.575) 36(-1,-7.575) 37(-0.5,-7.575) 38(0,-7.575) 39(0.5,-7.575) 40(1,-7.575) 41(1.5,-7.575) 42(2,-7.575) 43(2.5,-7.575) 44(3,-7.575) 45(3.5,-7.575) 46(4,-7.575) 47(4.5,-7.575) 48(5,-7.575) 49(5.5,-7.575) 50(6,-7.575) 76(6,7.575) 77(5.5,7.575) 78(5,7.575) 79(4.5,7.575) 80(4,7.575) 81(3.5,7.575) 82(3,7.575) 83(2.5,7.575) 84(2,7.575) 85(1.5,7.575) 86(1,7.575) 87(0.5,7.575) 88(0,7.575) 89(-0.5,7.575) 90(-1,7.575) 91(-1.5,7.575) 92(-2,7.575) 93(-2.5,7.575) 94(-3,7.575) 95(-3.5,7.575) 96(-4,7.575) 97(-4.5,7.575) 98(-5,7.575) 99(-5.5,7.575) 100(-6,7.575)
  silkscreen extent -7.7,-6.25 6.25,6.83, body extent -8.35,-8.35 8.35,8.35, height 0.25
FP-MCS3264-MFG [mm]
  rect 3.1x3.57 smd paste+0 mask+0: 1(-3.1,0) 2(3.1,0)
  silkscreen extent -1.18,-1.75 1.18,1.75, body extent -4.75,-1.89 4.75,1.89, height 0.25
FP-SOD-123-IPC_A [mm]
  rect 1.308x0.762 smd paste+0 mask+0: 1(-1.825,0)
  rrect100% 1.308x0.762 smd paste+0 mask+0: 2(1.825,0)
  silkscreen extent -2.39,-0.8 1.35,1.01, body extent -1.85,-0.8 1.85,0.8, height 1.35
FP-SOT89-MFG [mm]
  rect 0.58x1.73 smd paste+0 mask+0: 1(-1.5,-1.635) 3(1.5,-1.635)
  round 1.74 smd paste+0 mask+0: 2(0,0.146)
  Top Layer region: -0.38,-2.5 0.38,-2.5 0.38,-1 0.967,-1 0.967,2.03 -0.967,2.03 -0.967,-1 -0.38,-1 -0.38,-2.5
  silkscreen extent -2.3,-1.3 2.3,1.3, body extent -2.4,-2.6 2.4,2.13, height 0.25
FP-SOT323-3L-MFG [mm]
  rect 0.7x0.42 smd paste+0 mask+0: 1(-1,0.65) 2(-1,-0.65) 3(1,0)
  silkscreen extent -0.67,-1.1 0.67,1.1, body extent -1.05,-1 1.05,1, height 1.1
FP-SRF4532-MFG [mm]
  round 0.99 smd paste+0 mask+0: 1(-2.05,-1.25) 2(2.05,-1.25)
  round 0.97 smd paste+0 mask+0: 3(2.05,1.125) 4(-2.05,1.125)
  Top Layer region: -2.6,-1.8 -2.6,-0.45 -1.9,-0.45 -1.5,-0.95 -1.5,-1.8
  Top Layer region: 1.5,-1.8 1.5,-0.95 1.9,-0.45 2.6,-0.45 2.6,-1.8
  Top Layer region: 1.5,1.8 2.6,1.8 2.6,0.45 1.9,0.45 1.5,0.95
  Top Layer region: -2.6,0.45 -2.6,1.8 -1.5,1.8 -1.5,0.95 -1.9,0.45
  silkscreen extent -2.17,-2.47 1.12,1.7, body extent -2.25,-1.6 2.25,1.6, height 3
FP-SSOP6-P-0_65A-MFG [mm]
  rect 0.8x0.4 smd paste+0 mask+0: 1(-0.95,0.65) 2(-0.95,0) 3(-0.95,-0.65) 4(0.95,-0.65) 5(0.95,0) 6(0.95,0.65)
  silkscreen extent -2.05,-1.1 0.18,1.1, body extent -1.05,-1 1.05,1, height 1
FP-TSOT26-MFG [mm]
  rect 1x0.7 smd paste+0 mask+0: 1(-1.099,0.95) 2(-1.099,0) 3(-1.099,-0.95) 4(1.099,-0.95) 5(1.099,0) 6(1.099,0.95)
  silkscreen extent -2.32,-1.5 0.22,1.5, body extent -1.7,-1.6 1.7,1.6, height 0.25
INF-PG-DSO-20-32_L [mm] "SOP, 20-Leads, Body 12.7x7.5mm, Pitch 1.27mm, IPC High Density"
  oval 1.95x0.6 smd: 1(-4.55,5.715) 2(-4.55,4.445) 3(-4.55,3.175) 4(-4.55,1.905) 5(-4.55,0.635) 6(-4.55,-0.635) 7(-4.55,-1.905) 8(-4.55,-3.175) 9(-4.55,-4.445) 10(-4.55,-5.715) 11(4.55,-5.715) 12(4.55,-4.445) 13(4.55,-3.175) 14(4.55,-1.905) 15(4.55,-0.635) 16(4.55,0.635) 17(4.55,1.905) 18(4.55,3.175) 19(4.55,4.445) 20(4.55,5.715)
  silkscreen extent -4.67,-6.4 3.18,6.69, body extent -3.8,-6.4 3.8,6.4, height 2.65
MTC16_L [mm] "TSOP, 16-Leads, Body 5x4.4mm, Pitch 0.65mm, IPC High Density"
  oval 1.4x0.35 smd: 1(-2.8,2.275) 2(-2.8,1.625) 3(-2.8,0.975) 4(-2.8,0.325) 5(-2.8,-0.325) 6(-2.8,-0.975) 7(-2.8,-1.625) 8(-2.8,-2.275) 9(2.8,-2.275) 10(2.8,-1.625) 11(2.8,-0.975) 12(2.8,-0.325) 13(2.8,0.325) 14(2.8,0.975) 15(2.8,1.625) 16(2.8,2.275)
  silkscreen extent -2.93,-2.55 1.7,3.12, body extent -2.25,-2.55 2.25,2.55, height 1.1
NXP-SOT363_L [mm] "SOT23, 6-Leads, Body 2.2x1.35mm, Pitch 0.65mm, IPC High Density"
  rect 0.45x0.35 smd: 1(-0.975,0.65) 2(-0.975,0) 3(-0.975,-0.65) 4(0.975,-0.65) 5(0.975,0) 6(0.975,0.65)
  silkscreen extent -1.1,-1.1 0.35,1.5, body extent -0.67,-1.1 0.67,1.1, height 1.1
ONSC-SOD-123-2-425-04_V [mm] "SOD, 2-Leads, Body 2.69x1.6mm"
  rect 0.91x1.22 smd: 1(-1.635,0) 2(1.635,0)
  silkscreen extent -1.76,-0.8 0.78,1.28, body extent -1.35,-0.8 1.35,0.8, height 1.35
RESC1005X40X25NL05T05 [mm] "Chip Resistor, 2-Leads, Body 1.00x0.50mm, IPC Medium Density"
  rect 0.55x0.55 smd: 1(-0.45,0) 2(0.45,0)
  body extent -0.53,-0.27 0.53,0.28, height 0.4
RESC1608X55X30LL15T15#1 [mm] "Chip Resistor, 2-Leads, Body 1.60x0.80mm, IPC High Density"
  rect 0.7x0.85 smd: 1(-0.625,0) 2(0.625,0)
  body extent -0.87,-0.48 0.87,0.48, height 0.55
RESC1608X55X30LL15T15#2 [mm] "Chip Resistor, 2-Leads, Body 1.75x0.95mm, IPC High Density"
  rect 0.75x0.85 smd: 1(-0.65,0) 2(0.65,0)
  body extent -0.87,-0.48 0.87,0.48, height 0.55
RESC1608X55X30NL15T15 [mm] "Chip Resistor, 2-Leads, Body 1.60x0.80mm, IPC Medium Density"
  rect 0.8x0.95 smd: 1(-0.675,0) 2(0.675,0)
  body extent -0.87,-0.48 0.87,0.48, height 0.55
RESC1608X90X30ML15T20 [mm] "Chip Resistor, 2-Leads, Body 1.60x0.80mm, IPC Low Density"
  rect 0.95x1.05 smd: 1(-0.7,0) 2(0.7,0)
  body extent -0.88,-0.48 0.87,0.48, height 0.9
RESC1609X55X30LL15T15 [mm] "Chip Resistor, 2-Leads, Body 1.75x0.95mm, IPC High Density"
  rect 0.75x0.85 smd: 1(-0.65,0) 2(0.65,0)
  body extent -0.87,-0.48 0.87,0.48, height 0.55